# KiCad board Cockpit.kicad_pcb (continued)
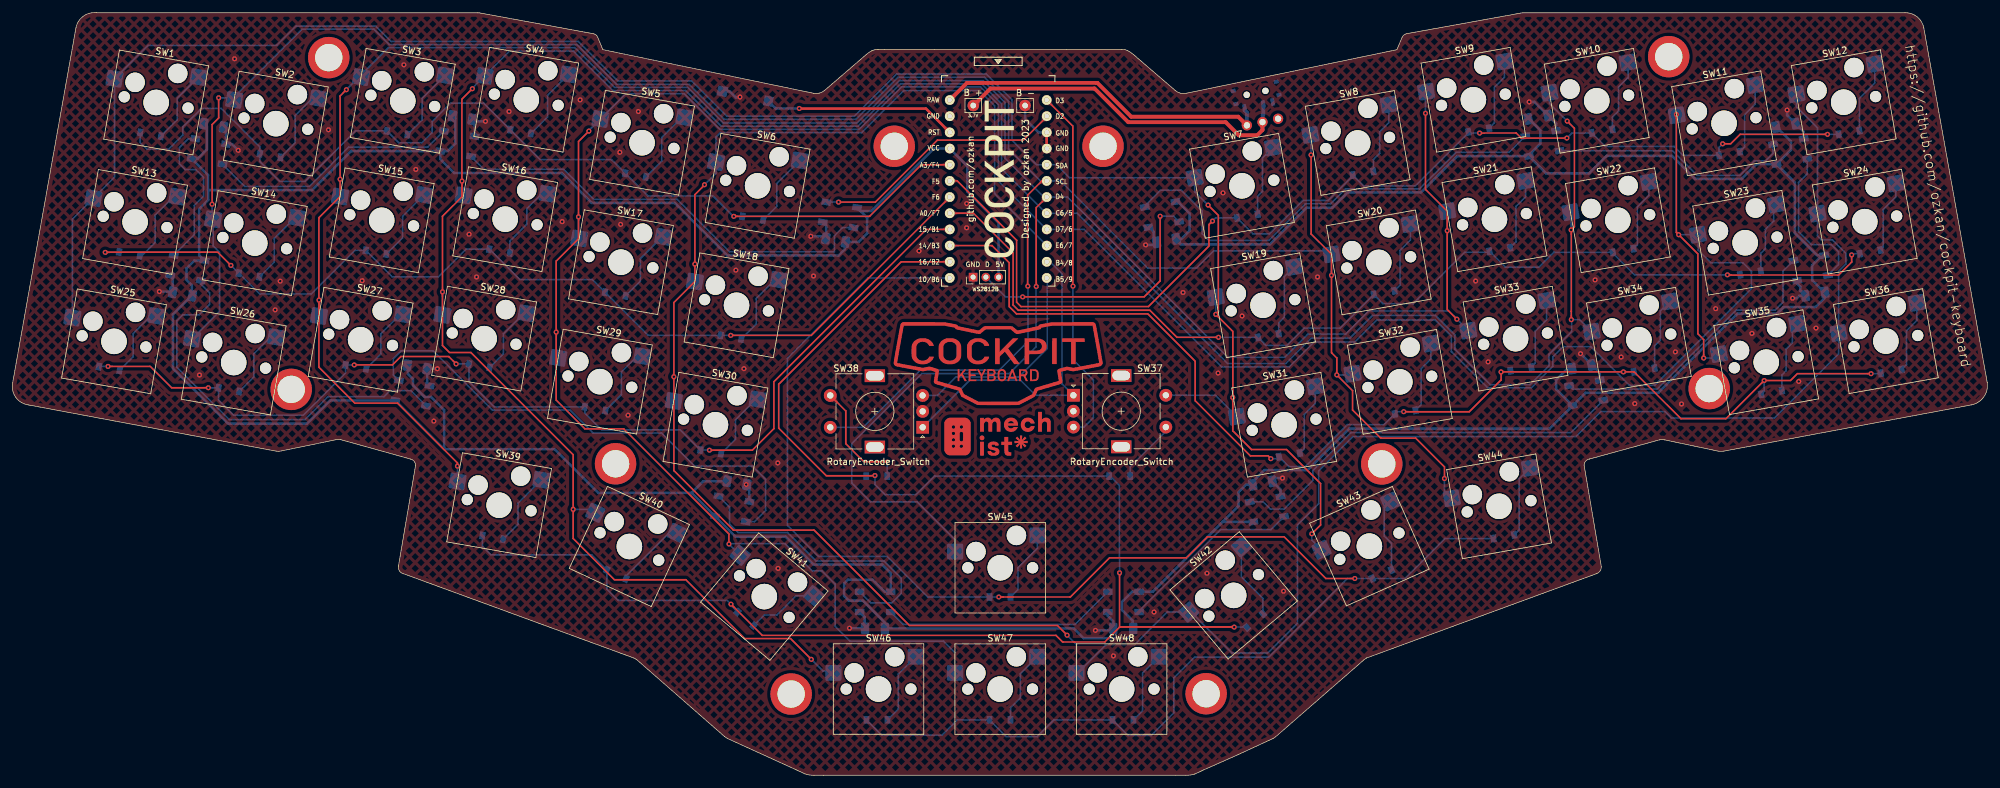
[diagram p0: board, top side]
## Copper pours and planes (outline as drawn; the poured copper is in the pictures) (continued)
Net-(LED10-Pad4) on Bottom: 195.12,43.06 195.01,43.07 194.91,43.08 194.83,43.11 194.76,43.13 194.7,43.17 194.64,43.21 194.51,43.3 194.44,43.34 194.35,43.39 193.88,42.94 194.35,42.49 194.44,42.54 194.51,42.58 194.64,42.67 194.7,42.71 194.76,42.75 194.83,42.77 194.91,42.8 195.01,42.81 195.12,42.81
Net-(LED11-Pad2) on Bottom: 281.75,95.83 281.75,95.94 281.77,96.04 281.79,96.12 281.82,96.19 281.85,96.25 281.89,96.31 281.98,96.43 282.03,96.51 282.07,96.6 281.62,97.07 281.17,96.6 281.22,96.51 281.27,96.43 281.36,96.31 281.39,96.25 281.43,96.19 281.46,96.12 281.48,96.04 281.49,95.94 281.5,95.83
Net-(LED12-Pad2) on Bottom: 243.75,98.21 243.64,98.22 243.54,98.23 243.46,98.25 243.39,98.28 243.33,98.32 243.27,98.35 243.14,98.44 243.07,98.49 242.98,98.54 242.51,98.09 242.98,97.64 243.07,97.68 243.14,97.73 243.27,97.82 243.33,97.86 243.39,97.89 243.46,97.92 243.54,97.94 243.64,97.96 243.75,97.96
Net-(LED12-Pad2) on Bottom: 276.37,98.13 276.37,98.24 276.39,98.34 276.41,98.42 276.44,98.49 276.47,98.55 276.51,98.61 276.6,98.73 276.64,98.81 276.69,98.9 276.24,99.37 275.79,98.9 275.84,98.81 275.89,98.73 275.97,98.61 276.01,98.55 276.05,98.49 276.08,98.42 276.1,98.34 276.11,98.24 276.12,98.13
Net-(LED13-Pad2) on Bottom: 178.17,90.12 178.08,90.03 177.99,89.96 177.91,89.91 177.84,89.87 177.77,89.84 177.63,89.78 177.55,89.75 177.46,89.7 177.37,89.64 177.54,89.01 178.16,89.2 178.16,89.3 178.16,89.38 178.15,89.46 178.15,89.53 178.16,89.59 178.17,89.66 178.19,89.72 178.23,89.79 178.28,89.86 178.35,89.94

Small or netless copper shapes (teardrops, artwork), in the pictures only: 93 on Top, 217 on Bottom

## Text on the board
B.Silkscreen: GND | D | 5V | Designed by ozkan 2023 | COCKPIT KEYBOARD v1.0 | B+ | B-
F.Silkscreen: 3.7V | WS2812B | GND | D | 5V | RotaryEncoder_Switch | B + | B - | github.com/ozkan | Designed by ozkan 2023 | https://github.com/ozkan/cockpit-keyboard
